# EAGLE board Mk4 Final Panel (EAGLE 9.0.1), part 10 of 18
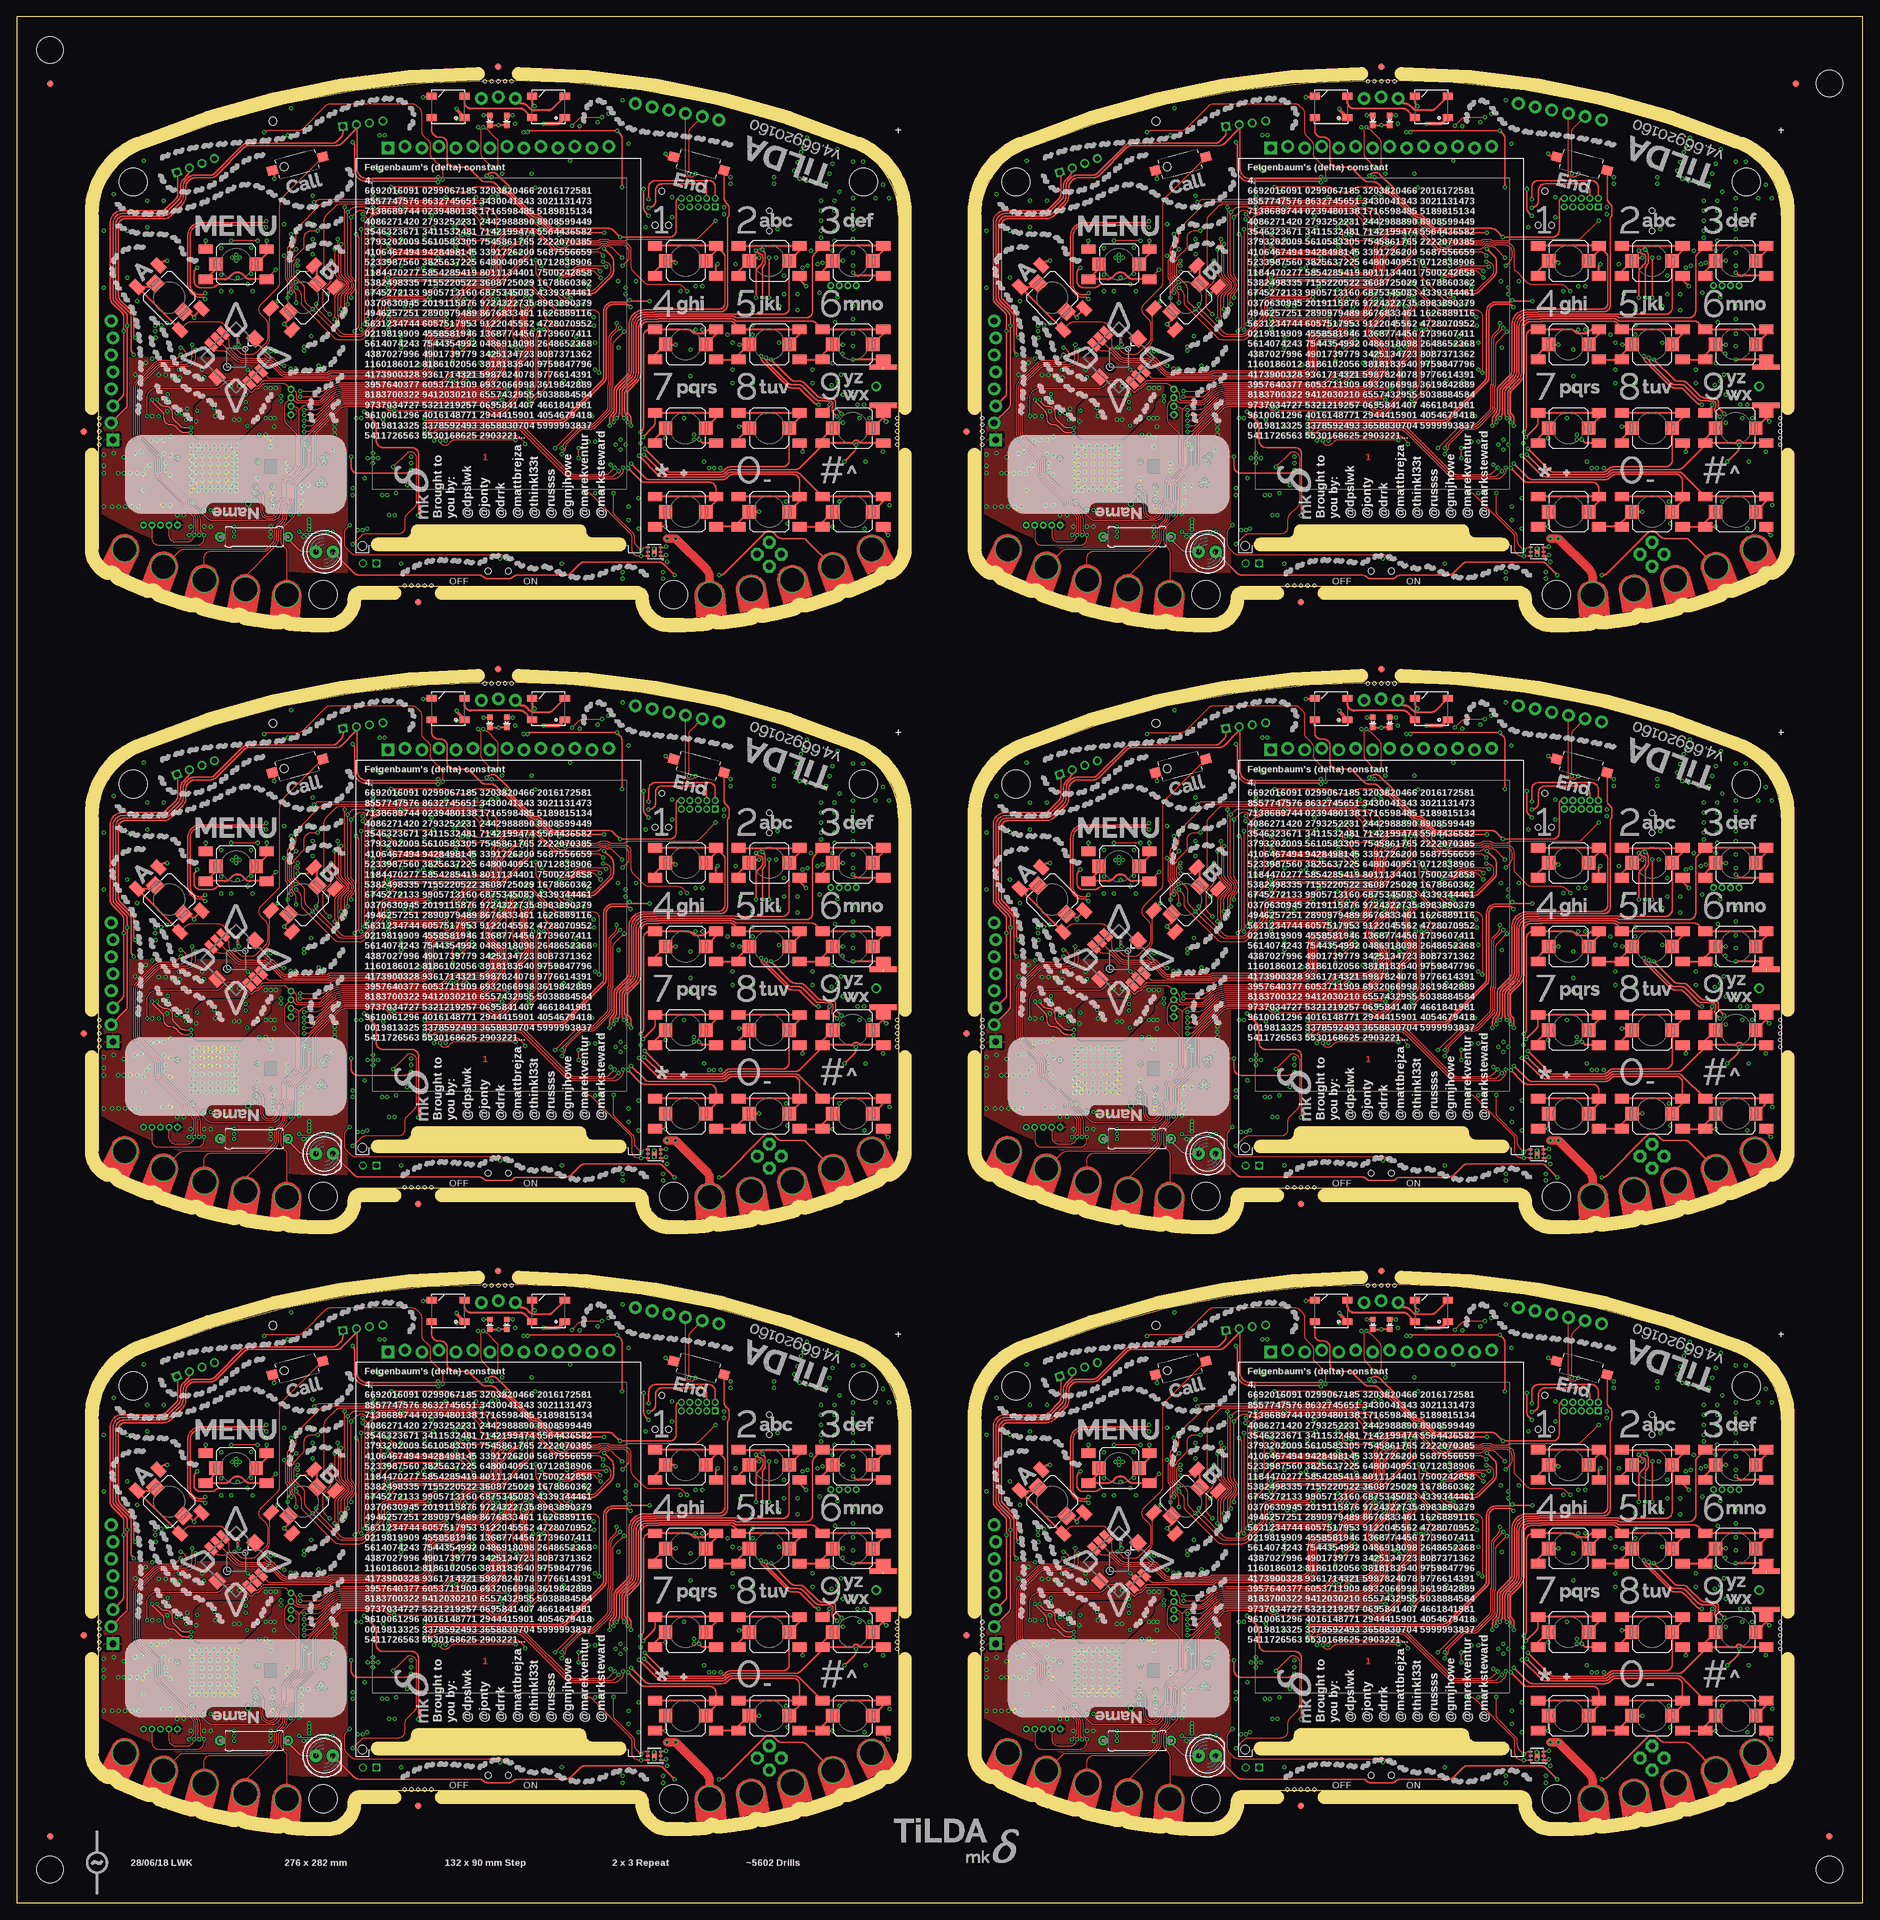
[diagram p0: board, top side]
## Tracks (layer width: path | path; a pad name or v marks a point on that pad's centre or on a via) (continued)
GND5  (via drill 0.3)  (1 unrouted) (continued)
  pour Bottom (rank 2, no thermals): 245.5,225 247,225 247,222.5 246.41,222.5 arc45 245.71,222.21 245.29,221.79 arc45 245,221.09 245,219 arc-90 244,218 233.5,218 arc-90 232.5,219 arc-90 233.5,220 241.75,220 arc90 242.75,221 242.75,221.09 arc-45 243.04,221.79 243.71,222.46 arc-45 244.41,222.75 244.59,222.75 arc45 245.29,223.04 245.5,223.25
  pour Bottom (no thermals): 195.5,231.5 195.5,230.2 195.3,230 195.2,230 195,230.2 195,231.25 194.5,231.75 194.5,233.3 194.7,233.5 195.05,233.5 195.25,233.3 195.25,231.75
  pour Bottom: 167.55,240.95 167.55,246.95 arc90 166.55,247.95 163.05,247.95 arc90 162.05,246.95 162.05,240.95 arc90 163.05,239.95 166.55,239.95 arc90
  pour Bottom (no thermals): 181.4,219 181.4,220.1 181.2,220.3 181.2,221.05 181,221.25 179.75,221.25 179.25,220.75 179.25,219.25 179.5,219
  pour Bottom (no thermals): 175.9,206.8 175.9,204.3 arc-90 175.4,203.8 174.45,203.8 arc-90 173.95,204.3 173.95,211.65 arc-90 174.45,212.15 175.55,212.15 arc-90 176.05,211.65 176.05,208.1 arc90 176.55,207.6 177.8,207.6 177.85,207.55 177.85,206.9 177.75,206.8
  pour Top (rank 6): 144.2,231 144.2,208 arc34 181,199 181.5,199 181.5,231
GSM_ANT
  Bottom 0.4: L3.1 C72.2 123.26,49.6 arc45 122.56,49.31 121.59,48.34 arc-45 120.89,48.05 IC5.32
GSM_ANT1
  Bottom 0.4: L13.1 C173.2 255.26,49.6 arc45 254.56,49.31 253.59,48.34 arc-45 252.89,48.05 IC21.32
GSM_ANT2
  Bottom 0.4: L22.1 C281.2 123.26,139.6 arc45 122.56,139.31 121.59,138.34 arc-45 120.89,138.05 IC39.32
GSM_ANT3
  Bottom 0.4: L31.1 C389.2 255.26,139.6 arc45 254.56,139.31 253.59,138.34 arc-45 252.89,138.05 IC57.32
GSM_ANT4
  Bottom 0.4: L40.1 C497.2 123.26,229.6 arc45 122.56,229.31 121.59,228.34 arc-45 120.89,228.05 IC75.32
GSM_ANT5
  Bottom 0.4: L49.1 C605.2 255.26,229.6 arc45 254.56,229.31 253.59,228.34 arc-45 252.89,228.05 IC93.32
HDC_INT  (via drill 0.3)
  Top 0.15: v90.6,64.8 91.21,65.41 arc45 91.5,66.11 91.5,66.9 arc90 90.5,67.9 88.45,67.9 arc-45 88.31,67.96 88.2,68.07 arc45 88.06,68.12 87.54,68.12 arc45 87.4,68.07 87.29,67.96 arc-45 87.15,67.9 82.75,67.9 arc45 82.4,67.75 82.26,67.62 arc-45 81.91,67.47 81.44,67.47 arc-45 80.73,67.77 79.79,68.71 arc-45 79.5,69.41 79.5,69.53 arc45 79.21,70.23 78.31,71.13 arc45 77.96,71.28 arc-45 77.73,71.37 v77.6,71.5 | v81.5,36.6 arc-45 81.61,36.87 81.88,37.14 arc45 82.03,37.49 82.03,37.72 arc-45 82.17,38.07 84.11,40.01 arc-45 84.81,40.3 85.79,40.3 arc45 86.49,40.59 88.71,42.81 arc45 89,43.51 89,46.7 arc-45 89.03,46.77 89.1,46.83 arc45 89.12,46.9 89.12,52.81 arc-45 89.42,53.52 v90.8,54.9
  3V3@2 0.15: v90.8,54.9 90.8,57.2 89.1,58.9 89.1,64 90,64.9 90.5,64.9 v90.6,64.8
  Bottom 0.15: IC3.4 92.12,18 arc90 91.88,17.75 91.88,17.6 arc-90 91.62,17.35 90.8,17.35 arc-90 89.8,18.35 89.8,18.79 arc-45 90.09,19.49 90.34,19.74 arc-45 90.48,19.8 90.52,19.8 arc45 90.66,19.86 91.86,21.06 arc45 92.3,22.12 92.3,23.85 arc90 90.55,25.6 87.42,25.6 arc-45 86.53,25.97 81.57,30.93 arc-45 81.2,31.82 81.2,35.89 arc-45 v81.49,36.59 v81.5,36.6 | IC1.95 77.8,71.98 arc-45 v77.6,71.5
HDC_INT1  (via drill 0.3)
  Top 0.15: v222.6,64.8 223.21,65.41 arc45 223.5,66.11 223.5,66.9 arc90 222.5,67.9 220.45,67.9 arc-45 220.31,67.96 220.2,68.07 arc45 220.06,68.12 219.54,68.12 arc45 219.4,68.07 219.29,67.96 arc-45 219.15,67.9 214.75,67.9 arc45 214.4,67.75 214.26,67.62 arc-45 213.91,67.47 213.44,67.47 arc-45 212.73,67.77 211.79,68.71 arc-45 211.5,69.41 211.5,69.53 arc45 211.21,70.23 210.31,71.13 arc45 209.96,71.28 arc-45 209.73,71.37 v209.6,71.5 | v213.5,36.6 arc-45 213.61,36.87 213.88,37.14 arc45 214.03,37.49 214.03,37.72 arc-45 214.17,38.07 216.11,40.01 arc-45 216.81,40.3 217.79,40.3 arc45 218.49,40.59 220.71,42.81 arc45 221,43.51 221,46.7 arc-45 221.03,46.77 221.1,46.83 arc45 221.12,46.9 221.12,52.81 arc-45 221.42,53.52 v222.8,54.9
  3V3@2 0.15: v222.8,54.9 222.8,57.2 221.1,58.9 221.1,64 222,64.9 222.5,64.9 v222.6,64.8
  Bottom 0.15: IC35.4 224.12,18 arc90 223.88,17.75 223.88,17.6 arc-90 223.62,17.35 222.8,17.35 arc-90 221.8,18.35 221.8,18.79 arc-45 222.09,19.49 222.34,19.74 arc-45 222.48,19.8 222.52,19.8 arc45 222.66,19.86 223.86,21.06 arc45 224.3,22.12 224.3,23.85 arc90 222.55,25.6 219.42,25.6 arc-45 218.53,25.97 213.57,30.93 arc-45 213.2,31.82 213.2,35.89 arc-45 v213.49,36.59 v213.5,36.6 | IC20.95 209.8,71.98 arc-45 v209.6,71.5
HDC_INT2  (via drill 0.3)
  Top 0.15: v90.6,154.8 91.21,155.41 arc45 91.5,156.11 91.5,156.9 arc90 90.5,157.9 88.45,157.9 arc-45 88.31,157.96 88.2,158.07 arc45 88.06,158.12 87.54,158.12 arc45 87.4,158.07 87.29,157.96 arc-45 87.15,157.9 82.75,157.9 arc45 82.4,157.75 82.26,157.62 arc-45 81.91,157.47 81.44,157.47 arc-45 80.73,157.77 79.79,158.71 arc-45 79.5,159.41 79.5,159.53 arc45 79.21,160.24 78.31,161.13 arc45 77.96,161.28 arc-45 77.73,161.37 v77.6,161.5 | v81.5,126.6 arc-45 81.61,126.87 81.88,127.14 arc45 82.03,127.49 82.03,127.72 arc-45 82.17,128.07 84.11,130.01 arc-45 84.81,130.3 85.79,130.3 arc45 86.49,130.59 88.71,132.81 arc45 89,133.51 89,136.69 arc-45 89.03,136.76 89.1,136.83 arc45 89.12,136.9 89.12,142.81 arc-45 89.42,143.52 v90.8,144.9
  3V3@2 0.15: v90.8,144.9 90.8,147.2 89.1,148.9 89.1,154 90,154.9 90.5,154.9 v90.6,154.8
  Bottom 0.15: IC53.4 92.12,108 arc90 91.88,107.75 91.88,107.6 arc-90 91.62,107.35 90.8,107.35 arc-90 89.8,108.35 89.8,108.79 arc-45 90.09,109.49 90.34,109.74 arc-45 90.48,109.8 90.52,109.8 arc45 90.66,109.86 91.86,111.06 arc45 92.3,112.12 92.3,113.85 arc90 90.55,115.6 87.42,115.6 arc-45 86.53,115.97 81.57,120.93 arc-45 81.2,121.82 81.2,125.89 arc-45 v81.49,126.59 v81.5,126.6 | IC38.95 77.8,161.98 arc-45 v77.6,161.5
HDC_INT3  (via drill 0.3)
  Top 0.15: v222.6,154.8 223.21,155.41 arc45 223.5,156.11 223.5,156.9 arc90 222.5,157.9 220.45,157.9 arc-45 220.31,157.96 220.2,158.07 arc45 220.06,158.12 219.54,158.12 arc45 219.4,158.07 219.29,157.96 arc-45 219.15,157.9 214.75,157.9 arc45 214.4,157.75 214.26,157.62 arc-45 213.91,157.47 213.44,157.47 arc-45 212.73,157.77 211.79,158.71 arc-45 211.5,159.41 211.5,159.53 arc45 211.21,160.24 210.31,161.13 arc45 209.96,161.28 arc-45 209.73,161.37 v209.6,161.5 | v213.5,126.6 arc-45 213.61,126.87 213.88,127.14 arc45 214.03,127.49 214.03,127.72 arc-45 214.17,128.07 216.11,130.01 arc-45 216.81,130.3 217.79,130.3 arc45 218.49,130.59 220.71,132.81 arc45 221,133.51 221,136.69 arc-45 221.03,136.76 221.1,136.83 arc45 221.12,136.9 221.12,142.81 arc-45 221.42,143.52 v222.8,144.9
  3V3@2 0.15: v222.8,144.9 222.8,147.2 221.1,148.9 221.1,154 222,154.9 222.5,154.9 v222.6,154.8
  Bottom 0.15: IC71.4 224.12,108 arc90 223.88,107.75 223.88,107.6 arc-90 223.62,107.35 222.8,107.35 arc-90 221.8,108.35 221.8,108.79 arc-45 222.09,109.49 222.34,109.74 arc-45 222.48,109.8 222.52,109.8 arc45 222.66,109.86 223.86,111.06 arc45 224.3,112.12 224.3,113.85 arc90 222.55,115.6 219.42,115.6 arc-45 218.53,115.97 213.57,120.93 arc-45 213.2,121.82 213.2,125.89 arc-45 v213.49,126.59 v213.5,126.6 | IC56.95 209.8,161.98 arc-45 v209.6,161.5
HDC_INT4  (via drill 0.3)
  Top 0.15: v90.6,244.8 91.21,245.41 arc45 91.5,246.11 91.5,246.9 arc90 90.5,247.9 88.45,247.9 arc-45 88.31,247.96 88.2,248.07 arc45 88.06,248.12 87.54,248.12 arc45 87.4,248.07 87.29,247.96 arc-45 87.15,247.9 82.75,247.9 arc45 82.4,247.75 82.26,247.62 arc-45 81.91,247.47 81.44,247.47 arc-45 80.73,247.77 79.79,248.71 arc-45 79.5,249.41 79.5,249.53 arc45 79.21,250.24 78.31,251.13 arc45 77.96,251.28 arc-45 77.73,251.37 v77.6,251.5 | v81.5,216.6 arc-45 81.61,216.87 81.88,217.14 arc45 82.03,217.49 82.03,217.72 arc-45 82.17,218.07 84.11,220.01 arc-45 84.81,220.3 85.79,220.3 arc45 86.49,220.59 88.71,222.81 arc45 89,223.51 89,226.69 arc-45 89.03,226.76 89.1,226.83 arc45 89.12,226.9 89.12,232.81 arc-45 89.42,233.52 v90.8,234.9
  3V3@2 0.15: v90.8,234.9 90.8,237.2 89.1,238.9 89.1,244 90,244.9 90.5,244.9 v90.6,244.8
  Bottom 0.15: IC89.4 92.12,198 arc90 91.88,197.75 91.88,197.6 arc-90 91.62,197.35 90.8,197.35 arc-90 89.8,198.35 89.8,198.79 arc-45 90.09,199.49 90.34,199.74 arc-45 90.48,199.8 90.52,199.8 arc45 90.66,199.86 91.86,201.06 arc45 92.3,202.12 92.3,203.85 arc90 90.55,205.6 87.42,205.6 arc-45 86.53,205.97 81.57,210.93 arc-45 81.2,211.82 81.2,215.89 arc-45 v81.49,216.59 v81.5,216.6 | IC74.95 77.8,251.98 arc-45 v77.6,251.5
HDC_INT5  (via drill 0.3)
  Top 0.15: v222.6,244.8 223.21,245.41 arc45 223.5,246.11 223.5,246.9 arc90 222.5,247.9 220.45,247.9 arc-45 220.31,247.96 220.2,248.07 arc45 220.06,248.12 219.54,248.12 arc45 219.4,248.07 219.29,247.96 arc-45 219.15,247.9 214.75,247.9 arc45 214.4,247.75 214.26,247.62 arc-45 213.91,247.47 213.44,247.47 arc-45 212.73,247.77 211.79,248.71 arc-45 211.5,249.41 211.5,249.53 arc45 211.21,250.24 210.31,251.13 arc45 209.96,251.28 arc-45 209.73,251.37 v209.6,251.5 | v213.5,216.6 arc-45 213.61,216.87 213.88,217.14 arc45 214.03,217.49 214.03,217.72 arc-45 214.17,218.07 216.11,220.01 arc-45 216.81,220.3 217.79,220.3 arc45 218.49,220.59 220.71,222.81 arc45 221,223.51 221,226.69 arc-45 221.03,226.76 221.1,226.83 arc45 221.12,226.9 221.12,232.81 arc-45 221.42,233.52 v222.8,234.9
  3V3@2 0.15: v222.8,234.9 222.8,237.2 221.1,238.9 221.1,244 222,244.9 222.5,244.9 v222.6,244.8
  Bottom 0.15: IC107.4 224.12,198 arc90 223.88,197.75 223.88,197.6 arc-90 223.62,197.35 222.8,197.35 arc-90 221.8,198.35 221.8,198.79 arc-45 222.09,199.49 222.34,199.74 arc-45 222.48,199.8 222.52,199.8 arc45 222.66,199.86 223.86,201.06 arc45 224.3,202.12 224.3,203.85 arc90 222.55,205.6 219.42,205.6 arc-45 218.53,205.97 213.57,210.93 arc-45 213.2,211.82 213.2,215.89 arc-45 v213.49,216.59 v213.5,216.6 | IC92.95 209.8,251.98 arc-45 v209.6,251.5
HEADSET_DET  (via drill 0.3)
  Top 0.15: v37,84.75 arc-45 37.6,85 42.09,85 arc45 42.79,85.29 46.21,88.71 arc-45 46.91,89 59.09,89 arc-45 59.79,88.71 60.21,88.29 arc-45 60.5,87.59 60.5,84.91 arc45 60.79,84.21 61.55,83.45 arc-45 61.84,82.75 61.84,81.57 arc45 62.13,80.87 63.6,79.4 arc-45 63.69,79.19 v63.69,77.62
  3V3@2 0.15: v63.69,77.62 63.69,75.59 63.3,75.2 63.3,74.3 63.8,73.8 68.2,73.8 68.9,73.1 68.9,71.8 69.9,70.8 80.52,70.8 arc45 v81,71
  Bottom 0.15: IC1.98 80.52,70.8 arc45 v81,71
  Bottom 0.4: J9.7 36.42,84.17 v37,84.75
HEADSET_DET1  (via drill 0.3)
  Top 0.15: v169,84.75 arc-45 169.6,85 174.09,85 arc45 174.79,85.29 178.21,88.71 arc-45 178.91,89 191.09,89 arc-45 191.79,88.71 192.21,88.29 arc-45 192.5,87.59 192.5,84.91 arc45 192.79,84.21 193.55,83.45 arc-45 193.84,82.75 193.84,81.57 arc45 194.13,80.87 195.6,79.4 arc-45 195.69,79.19 v195.69,77.62
  3V3@2 0.15: v195.69,77.62 195.69,75.59 195.3,75.2 195.3,74.3 195.8,73.8 200.2,73.8 200.9,73.1 200.9,71.8 201.9,70.8 212.52,70.8 arc45 v213,71
  Bottom 0.15: IC20.98 212.52,70.8 arc45 v213,71
  Bottom 0.4: J17.7 168.43,84.17 v169,84.75
HEADSET_DET2  (via drill 0.3)
  Top 0.15: v37,174.75 arc-45 37.6,175 42.09,175 arc45 42.79,175.29 46.21,178.71 arc-45 46.91,179 59.09,179 arc-45 59.79,178.71 60.21,178.29 arc-45 60.5,177.59 60.5,174.91 arc45 60.79,174.21 61.55,173.45 arc-45 61.84,172.75 61.84,171.57 arc45 62.13,170.87 63.6,169.4 arc-45 63.69,169.19 v63.69,167.62
  3V3@2 0.15: v63.69,167.62 63.69,165.59 63.3,165.2 63.3,164.3 63.8,163.8 68.2,163.8 68.9,163.1 68.9,161.8 69.9,160.8 80.52,160.8 arc45 v81,161
  Bottom 0.15: IC38.98 80.52,160.8 arc45 v81,161
  Bottom 0.4: J27.7 36.42,174.18 v37,174.75
HEADSET_DET3  (via drill 0.3)
  Top 0.15: v169,174.75 arc-45 169.6,175 174.09,175 arc45 174.79,175.29 178.21,178.71 arc-45 178.91,179 191.09,179 arc-45 191.79,178.71 192.21,178.29 arc-45 192.5,177.59 192.5,174.91 arc45 192.79,174.21 193.55,173.45 arc-45 193.84,172.75 193.84,171.57 arc45 194.13,170.87 195.6,169.4 arc-45 195.69,169.19 v195.69,167.62
  3V3@2 0.15: v195.69,167.62 195.69,165.59 195.3,165.2 195.3,164.3 195.8,163.8 200.2,163.8 200.9,163.1 200.9,161.8 201.9,160.8 212.52,160.8 arc45 v213,161
  Bottom 0.15: IC56.98 212.52,160.8 arc45 v213,161
  Bottom 0.4: J37.7 168.43,174.18 v169,174.75
HEADSET_DET4  (via drill 0.3)
  Top 0.15: v37,264.75 arc-45 37.6,265 42.09,265 arc45 42.79,265.29 46.21,268.71 arc-45 46.91,269 59.09,269 arc-45 59.79,268.71 60.21,268.29 arc-45 60.5,267.59 60.5,264.91 arc45 60.79,264.21 61.55,263.45 arc-45 61.84,262.75 61.84,261.57 arc45 62.13,260.87 63.6,259.4 arc-45 63.69,259.19 v63.69,257.62
  3V3@2 0.15: v63.69,257.62 63.69,255.59 63.3,255.2 63.3,254.3 63.8,253.8 68.2,253.8 68.9,253.1 68.9,251.8 69.9,250.8 80.52,250.8 arc45 v81,251
  Bottom 0.15: IC74.98 80.52,250.8 arc45 v81,251
  Bottom 0.4: J47.7 36.42,264.18 v37,264.75
HEADSET_DET5  (via drill 0.3)
  Top 0.15: v169,264.75 arc-45 169.6,265 174.09,265 arc45 174.79,265.29 178.21,268.71 arc-45 178.91,269 191.09,269 arc-45 191.79,268.71 192.21,268.29 arc-45 192.5,267.59 192.5,264.91 arc45 192.79,264.21 193.55,263.45 arc-45 193.84,262.75 193.84,261.57 arc45 194.13,260.87 195.6,259.4 arc-45 195.69,259.19 v195.69,257.62
  3V3@2 0.15: v195.69,257.62 195.69,255.59 195.3,255.2 195.3,254.3 195.8,253.8 200.2,253.8 200.9,253.1 200.9,251.8 201.9,250.8 212.52,250.8 arc45 v213,251
  Bottom 0.15: IC92.98 212.52,250.8 arc45 v213,251
  Bottom 0.4: J57.7 168.43,264.18 v169,264.75
I2C4_SCL  (via drill 0.3)
  Top 0.15: v76,38.1 76,38.3 75.29,39.01 arc45 74.59,39.3 65.21,39.3 arc45 64.51,39.01 v64.1,38.6 63.78,38.92 arc90 62.72,38.92 v62.4,38.6 | v89.2,30.8 89.2,28.14 arc45 89.49,27.43 92.01,24.92 arc-45 92.3,24.21 92.3,23.71 arc45 92.59,23.01 v93.35,22.25 93.46,22.36 arc-45 94.16,22.65 IC17.4
  3V3@2 0.15: v59,58.7 58.3,59.4 58.3,63.8 58.55,64.05 58.55,66.55 59,67 61,67 63.4,69.4 65.95,69.4 66.5,68.85 67.05,68.85 67.5,69.3 v67.5,69.4
  Bottom 0.15: IC8.5 54,38.3 arc-90 55,39.3 57.38,39.3 arc-45 58.27,38.93 58.51,38.69 arc45 59.21,38.4 62.12,38.4 arc45 62.26,38.46 v62.4,38.6 | IC4.19 86.75,36.75 | IC16.1 88.25,33.5 88.28,33.52 | 88.28,33.52 arc90 88.28,34.23 87.04,35.46 arc-45 86.75,36.16 86.75,36.75 | 86.75,36.75 84.16,36.75 arc-45 83.46,37.04 82.69,37.81 arc45 81.99,38.1 v76,38.1 | v64.1,38.6 63.7,39 63.7,42.38 arc45 63.33,43.27 58.99,47.61 arc-45 58.7,48.31 58.7,57.99 arc-45 v58.99,58.69 v59,58.7 59.05,58.75 R22.1 | v89.2,30.8 89.2,32.39 arc45 89.05,32.75 88.28,33.52 | IC1.61 66.69,70 arc-45 67.05,69.85 v67.5,69.4 | IC3.6 92.72,20.88 arc45 92.7,20.95 92.63,21.02 arc-45 92.6,21.09 92.6,21.29 arc-45 92.75,21.65 v93.35,22.25
I2C4_SCL1  (via drill 0.3)
  Top 0.15: v208,38.1 208,38.3 207.29,39.01 arc45 206.59,39.3 197.21,39.3 arc45 196.51,39.01 v196.1,38.6 195.78,38.92 arc90 194.72,38.92 v194.4,38.6 | v221.2,30.8 221.2,28.14 arc45 221.49,27.43 224.01,24.92 arc-45 224.3,24.21 224.3,23.71 arc45 224.59,23.01 v225.35,22.25 225.46,22.36 arc-45 226.16,22.65 IC34.4
  3V3@2 0.15: v191,58.7 190.3,59.4 190.3,63.8 190.55,64.05 190.55,66.55 191,67 193,67 195.4,69.4 197.95,69.4 198.5,68.85 199.05,68.85 199.5,69.3 v199.5,69.4
  Bottom 0.15: IC24.5 186,38.3 arc-90 187,39.3 189.38,39.3 arc-45 190.27,38.93 190.51,38.69 arc45 191.21,38.4 194.12,38.4 arc45 194.26,38.46 v194.4,38.6 | IC31.19 218.75,36.75 | IC32.1 220.25,33.5 220.28,33.52 | 220.28,33.52 arc90 220.28,34.23 219.04,35.46 arc-45 218.75,36.16 218.75,36.75 | 218.75,36.75 216.16,36.75 arc-45 215.46,37.04 214.69,37.81 arc45 213.99,38.1 v208,38.1 | v196.1,38.6 195.7,39 195.7,42.38 arc45 195.33,43.27 190.99,47.61 arc-45 190.7,48.31 190.7,57.99 arc-45 v190.99,58.69 v191,58.7 191.05,58.75 R104.1 | v221.2,30.8 221.2,32.39 arc45 221.05,32.75 220.28,33.52 | IC20.61 198.69,70 arc-45 199.05,69.85 v199.5,69.4 | IC35.6 224.72,20.88 arc45 224.7,20.95 224.63,21.02 arc-45 224.6,21.09 224.6,21.29 arc-45 224.75,21.65 v225.35,22.25
I2C4_SCL2  (via drill 0.3)
  Top 0.15: v76,128.1 76,128.3 75.29,129.01 arc45 74.59,129.3 65.21,129.3 arc45 64.51,129.01 v64.1,128.6 63.78,128.92 arc90 62.72,128.92 v62.4,128.6 | v89.2,120.8 89.2,118.14 arc45 89.49,117.43 92.01,114.92 arc-45 92.3,114.21 92.3,113.71 arc45 92.59,113.01 v93.35,112.25 93.46,112.36 arc-45 94.16,112.65 IC52.4
  3V3@2 0.15: v59,148.7 58.3,149.4 58.3,153.8 58.55,154.05 58.55,156.55 59,157 61,157 63.4,159.4 65.95,159.4 66.5,158.85 67.05,158.85 67.5,159.3 v67.5,159.4
  Bottom 0.15: IC42.5 54,128.3 arc-90 55,129.3 57.38,129.3 arc-45 58.27,128.93 58.51,128.69 arc45 59.21,128.4 62.12,128.4 arc45 62.26,128.46 v62.4,128.6 | IC49.19 86.75,126.75 | IC50.1 88.25,123.5 88.28,123.53 | 88.28,123.53 arc90 88.28,124.22 87.04,125.46 arc-45 86.75,126.16 86.75,126.75 | 86.75,126.75 84.16,126.75 arc-45 83.46,127.04 82.69,127.81 arc45 81.99,128.1 v76,128.1 | v64.1,128.6 63.7,129 63.7,132.38 arc45 63.33,133.27 58.99,137.61 arc-45 58.7,138.31 58.7,147.99 arc-45 v58.99,148.69 v59,148.7 59.05,148.75 R182.1 | v89.2,120.8 89.2,122.39 arc45 89.05,122.75 88.28,123.53 | IC38.61 66.69,160 arc-45 67.05,159.85 v67.5,159.4 | IC53.6 92.72,110.88 arc45 92.7,110.95 92.63,111.02 arc-45 92.6,111.09 92.6,111.29 arc-45 92.75,111.65 v93.35,112.25
I2C4_SCL3  (via drill 0.3)
  Top 0.15: v208,128.1 208,128.3 207.29,129.01 arc45 206.59,129.3 197.21,129.3 arc45 196.51,129.01 v196.1,128.6 195.78,128.92 arc90 194.72,128.92 v194.4,128.6 | v221.2,120.8 221.2,118.14 arc45 221.49,117.43 224.01,114.92 arc-45 224.3,114.21 224.3,113.71 arc45 224.59,113.01 v225.35,112.25 225.46,112.36 arc-45 226.16,112.65 IC70.4
  3V3@2 0.15: v191,148.7 190.3,149.4 190.3,153.8 190.55,154.05 190.55,156.55 191,157 193,157 195.4,159.4 197.95,159.4 198.5,158.85 199.05,158.85 199.5,159.3 v199.5,159.4
  Bottom 0.15: IC60.5 186,128.3 arc-90 187,129.3 189.38,129.3 arc-45 190.27,128.93 190.51,128.69 arc45 191.21,128.4 194.12,128.4 arc45 194.26,128.46 v194.4,128.6 | IC67.19 218.75,126.75 | IC68.1 220.25,123.5 220.28,123.53 | 220.28,123.53 arc90 220.28,124.22 219.04,125.46 arc-45 218.75,126.16 218.75,126.75 | 218.75,126.75 216.16,126.75 arc-45 215.46,127.04 214.69,127.81 arc45 213.99,128.1 v208,128.1 | v196.1,128.6 195.7,129 195.7,132.38 arc45 195.33,133.27 190.99,137.61 arc-45 190.7,138.31 190.7,147.99 arc-45 v190.99,148.69 v191,148.7 191.05,148.75 R260.1 | v221.2,120.8 221.2,122.39 arc45 221.05,122.75 220.28,123.53 | IC56.61 198.69,160 arc-45 199.05,159.85 v199.5,159.4 | IC71.6 224.72,110.88 arc45 224.7,110.95 224.63,111.02 arc-45 224.6,111.09 224.6,111.29 arc-45 224.75,111.65 v225.35,112.25
I2C4_SCL4  (via drill 0.3)
  Top 0.15: v76,218.1 76,218.3 75.29,219.01 arc45 74.59,219.3 65.21,219.3 arc45 64.51,219.01 v64.1,218.6 63.78,218.92 arc90 62.72,218.92 v62.4,218.6 | v89.2,210.8 89.2,208.14 arc45 89.49,207.43 92.01,204.92 arc-45 92.3,204.21 92.3,203.71 arc45 92.59,203.01 v93.35,202.25 93.46,202.36 arc-45 94.16,202.65 IC88.4
  3V3@2 0.15: v59,238.7 58.3,239.4 58.3,243.8 58.55,244.05 58.55,246.55 59,247 61,247 63.4,249.4 65.95,249.4 66.5,248.85 67.05,248.85 67.5,249.3 v67.5,249.4
  Bottom 0.15: IC78.5 54,218.3 arc-90 55,219.3 57.38,219.3 arc-45 58.27,218.93 58.51,218.69 arc45 59.21,218.4 62.12,218.4 arc45 62.26,218.46 v62.4,218.6 | IC85.19 86.75,216.75 | IC86.1 88.25,213.5 88.28,213.53 | 88.28,213.53 arc90 88.28,214.22 87.04,215.46 arc-45 86.75,216.16 86.75,216.75 | 86.75,216.75 84.16,216.75 arc-45 83.46,217.04 82.69,217.81 arc45 81.99,218.1 v76,218.1 | v64.1,218.6 63.7,219 63.7,222.38 arc45 63.33,223.27 58.99,227.61 arc-45 58.7,228.31 58.7,237.99 arc-45 v58.99,238.69 v59,238.7 59.05,238.75 R338.1 | v89.2,210.8 89.2,212.39 arc45 89.05,212.75 88.28,213.53 | IC74.61 66.69,250 arc-45 67.05,249.85 v67.5,249.4 | IC89.6 92.72,200.88 arc45 92.7,200.95 92.63,201.02 arc-45 92.6,201.09 92.6,201.29 arc-45 92.75,201.65 v93.35,202.25
I2C4_SCL5  (via drill 0.3)
  Top 0.15: v208,218.1 208,218.3 207.29,219.01 arc45 206.59,219.3 197.21,219.3 arc45 196.51,219.01 v196.1,218.6 195.78,218.92 arc90 194.72,218.92 v194.4,218.6 | v221.2,210.8 221.2,208.14 arc45 221.49,207.43 224.01,204.92 arc-45 224.3,204.21 224.3,203.71 arc45 224.59,203.01 v225.35,202.25 225.46,202.36 arc-45 226.16,202.65 IC106.4
  3V3@2 0.15: v191,238.7 190.3,239.4 190.3,243.8 190.55,244.05 190.55,246.55 191,247 193,247 195.4,249.4 197.95,249.4 198.5,248.85 199.05,248.85 199.5,249.3 v199.5,249.4
  Bottom 0.15: IC96.5 186,218.3 arc-90 187,219.3 189.38,219.3 arc-45 190.27,218.93 190.51,218.69 arc45 191.21,218.4 194.12,218.4 arc45 194.26,218.46 v194.4,218.6 | IC103.19 218.75,216.75 | IC104.1 220.25,213.5 220.28,213.53 | 220.28,213.53 arc90 220.28,214.22 219.04,215.46 arc-45 218.75,216.16 218.75,216.75 | 218.75,216.75 216.16,216.75 arc-45 215.46,217.04 214.69,217.81 arc45 213.99,218.1 v208,218.1 | v196.1,218.6 195.7,219 195.7,222.38 arc45 195.33,223.27 190.99,227.61 arc-45 190.7,228.31 190.7,237.99 arc-45 v190.99,238.69 v191,238.7 191.05,238.75 R416.1 | v221.2,210.8 221.2,212.39 arc45 221.05,212.75 220.28,213.53 | IC92.61 198.69,250 arc-45 199.05,249.85 v199.5,249.4 | IC107.6 224.72,200.88 arc45 224.7,200.95 224.63,201.02 arc-45 224.6,201.09 224.6,201.29 arc-45 224.75,201.65 v225.35,202.25
I2C4_SDA  (via drill 0.3)
  Top 0.15: v84,36 v84,37.5 | v74.58,38.7 65.54,38.7 arc45 64.83,38.41 64.56,38.13 arc-45 64,37.9 arc-90 v63.3,38.6 | IC17.6 v93.35,21.35 93,21.35 arc-90 92,22.35 92,24.09 arc45 91.71,24.79 85.99,30.51 arc45 85.29,30.8 v84.8,30.8
  3V3@2 0.15: v58,58.7 58,64 58.25,64.25 58.25,66.75 59,67.5 61,67.5 63.25,69.75 66.35,69.75 v66.7,69.4
  Bottom 0.15: IC8.6 arc-90 55.45,39 57.36,39 arc-45 58.07,38.71 58.31,38.47 arc45 59.19,38.1 61.82,38.1 arc-45 61.96,38.04 62.04,37.96 arc45 62.18,37.9 62.6,37.9 arc90 v63.3,38.6 63.4,38.7 63.4,42.34 arc45 63.11,43.04 58.69,47.46 arc-45 58.4,48.16 58.4,57.89 arc45 58.11,58.59 v58,58.7 arc45 58.1,58.94 58.1,59.7 R21.1 | IC4.20 86.92,37.25 86.89,37.23 84.66,37.23 arc-45 v84,37.5 83.39,38.11 arc45 82.69,38.4 76.71,38.4 arc-45 76.35,38.55 76.35,38.55 arc45 75.99,38.7 v74.58,38.7 | IC16.6 86.16,33.5 arc-45 85.46,33.79 84.8,34.45 | 84.8,34.45 84.29,34.96 arc-45 84,35.66 v84,36 | v84.8,30.8 84.8,34.45 | IC1.60 66.29,69.6 arc-45 66.65,69.45 v66.7,69.4 | IC3.1 95.47,20.06 arc45 95.18,20.77 94.89,21.06 arc45 94.19,21.35 v93.35,21.35
I2C4_SDA1  (via drill 0.3)
  Top 0.15: v216,36 v216,37.5 | v206.58,38.7 197.54,38.7 arc45 196.83,38.41 196.56,38.13 arc-45 196,37.9 arc-90 v195.3,38.6 | IC34.6 v225.35,21.35 225,21.35 arc-90 224,22.35 224,24.09 arc45 223.71,24.79 217.99,30.51 arc45 217.29,30.8 v216.8,30.8
  3V3@2 0.15: v190,58.7 190,64 190.25,64.25 190.25,66.75 191,67.5 193,67.5 195.25,69.75 198.35,69.75 v198.7,69.4
  Bottom 0.15: IC24.6 arc-90 187.45,39 189.36,39 arc-45 190.07,38.71 190.31,38.47 arc45 191.19,38.1 193.82,38.1 arc-45 193.96,38.04 194.04,37.96 arc45 194.18,37.9 194.6,37.9 arc90 v195.3,38.6 195.4,38.7 195.4,42.34 arc45 195.11,43.04 190.69,47.46 arc-45 190.4,48.16 190.4,57.89 arc45 190.11,58.59 v190,58.7 arc45 190.1,58.94 190.1,59.7 R103.1 | IC31.20 218.92,37.25 218.89,37.23 216.66,37.23 arc-45 v216,37.5 215.39,38.11 arc45 214.69,38.4 208.71,38.4 arc-45 208.35,38.55 208.35,38.55 arc45 207.99,38.7 v206.58,38.7 | IC32.6 218.16,33.5 arc-45 217.46,33.79 216.8,34.45 | 216.8,34.45 216.29,34.96 arc-45 216,35.66 v216,36 | v216.8,30.8 216.8,34.45 | IC20.60 198.29,69.6 arc-45 198.65,69.45 v198.7,69.4 | IC35.1 227.47,20.06 arc45 227.18,20.77 226.89,21.06 arc45 226.19,21.35 v225.35,21.35
I2C4_SDA2  (via drill 0.3)
  Top 0.15: v84,126 v84,127.5 | v74.58,128.7 65.54,128.7 arc45 64.83,128.41 64.56,128.13 arc-45 64,127.9 arc-90 v63.3,128.6 | IC52.6 v93.35,111.35 93,111.35 arc-90 92,112.35 92,114.09 arc45 91.71,114.79 85.99,120.51 arc45 85.29,120.8 v84.8,120.8
  3V3@2 0.15: v58,148.7 58,154 58.25,154.25 58.25,156.75 59,157.5 61,157.5 63.25,159.75 66.35,159.75 v66.7,159.4
  Bottom 0.15: IC42.6 arc-90 55.45,129 57.36,129 arc-45 58.07,128.71 58.31,128.47 arc45 59.19,128.1 61.82,128.1 arc-45 61.96,128.04 62.04,127.96 arc45 62.18,127.9 62.6,127.9 arc90 v63.3,128.6 63.4,128.7 63.4,132.34 arc45 63.11,133.04 58.69,137.46 arc-45 58.4,138.16 58.4,147.89 arc45 58.11,148.59 v58,148.7 arc45 58.1,148.94 58.1,149.7 R181.1 | IC49.20 86.92,127.25 86.89,127.22 84.66,127.22 arc-45 v84,127.5 83.39,128.11 arc45 82.69,128.4 76.71,128.4 arc-45 76.35,128.55 76.35,128.55 arc45 75.99,128.7 v74.58,128.7 | IC50.6 86.16,123.5 arc-45 85.46,123.79 84.8,124.45 | 84.8,124.45 84.29,124.96 arc-45 84,125.66 v84,126 | v84.8,120.8 84.8,124.45 | IC38.60 66.29,159.6 arc-45 66.65,159.45 v66.7,159.4 | IC53.1 95.47,110.06 arc45 95.18,110.77 94.89,111.06 arc45 94.19,111.35 v93.35,111.35
I2C4_SDA3  (via drill 0.3)
  Top 0.15: v216,126 v216,127.5 | v206.58,128.7 197.54,128.7 arc45 196.83,128.41 196.56,128.13 arc-45 196,127.9 arc-90 v195.3,128.6 | IC70.6 v225.35,111.35 225,111.35 arc-90 224,112.35 224,114.09 arc45 223.71,114.79 217.99,120.51 arc45 217.29,120.8 v216.8,120.8
  3V3@2 0.15: v190,148.7 190,154 190.25,154.25 190.25,156.75 191,157.5 193,157.5 195.25,159.75 198.35,159.75 v198.7,159.4
  Bottom 0.15: IC60.6 arc-90 187.45,129 189.36,129 arc-45 190.07,128.71 190.31,128.47 arc45 191.19,128.1 193.82,128.1 arc-45 193.96,128.04 194.04,127.96 arc45 194.18,127.9 194.6,127.9 arc90 v195.3,128.6 195.4,128.7 195.4,132.34 arc45 195.11,133.04 190.69,137.46 arc-45 190.4,138.16 190.4,147.89 arc45 190.11,148.59 v190,148.7 arc45 190.1,148.94 190.1,149.7 R259.1 | IC67.20 218.92,127.25 218.89,127.22 216.66,127.22 arc-45 v216,127.5 215.39,128.11 arc45 214.69,128.4 208.71,128.4 arc-45 208.35,128.55 208.35,128.55 arc45 207.99,128.7 v206.58,128.7 | IC68.6 218.16,123.5 arc-45 217.46,123.79 216.8,124.45 | 216.8,124.45 216.29,124.96 arc-45 216,125.66 v216,126 | v216.8,120.8 216.8,124.45 | IC56.60 198.29,159.6 arc-45 198.65,159.45 v198.7,159.4 | IC71.1 227.47,110.06 arc45 227.18,110.77 226.89,111.06 arc45 226.19,111.35 v225.35,111.35